# Altium PCB foot.PcbDoc
Units mil, origin at the board's own origin, x right, y up, seen from the top; angles counter-clockwise.
Board outline 1574.8 x 2952.76 mil, 2 copper layers (Top Layer, Bottom Layer); 156 components, 137 nets, 483 pads, 163 vias.
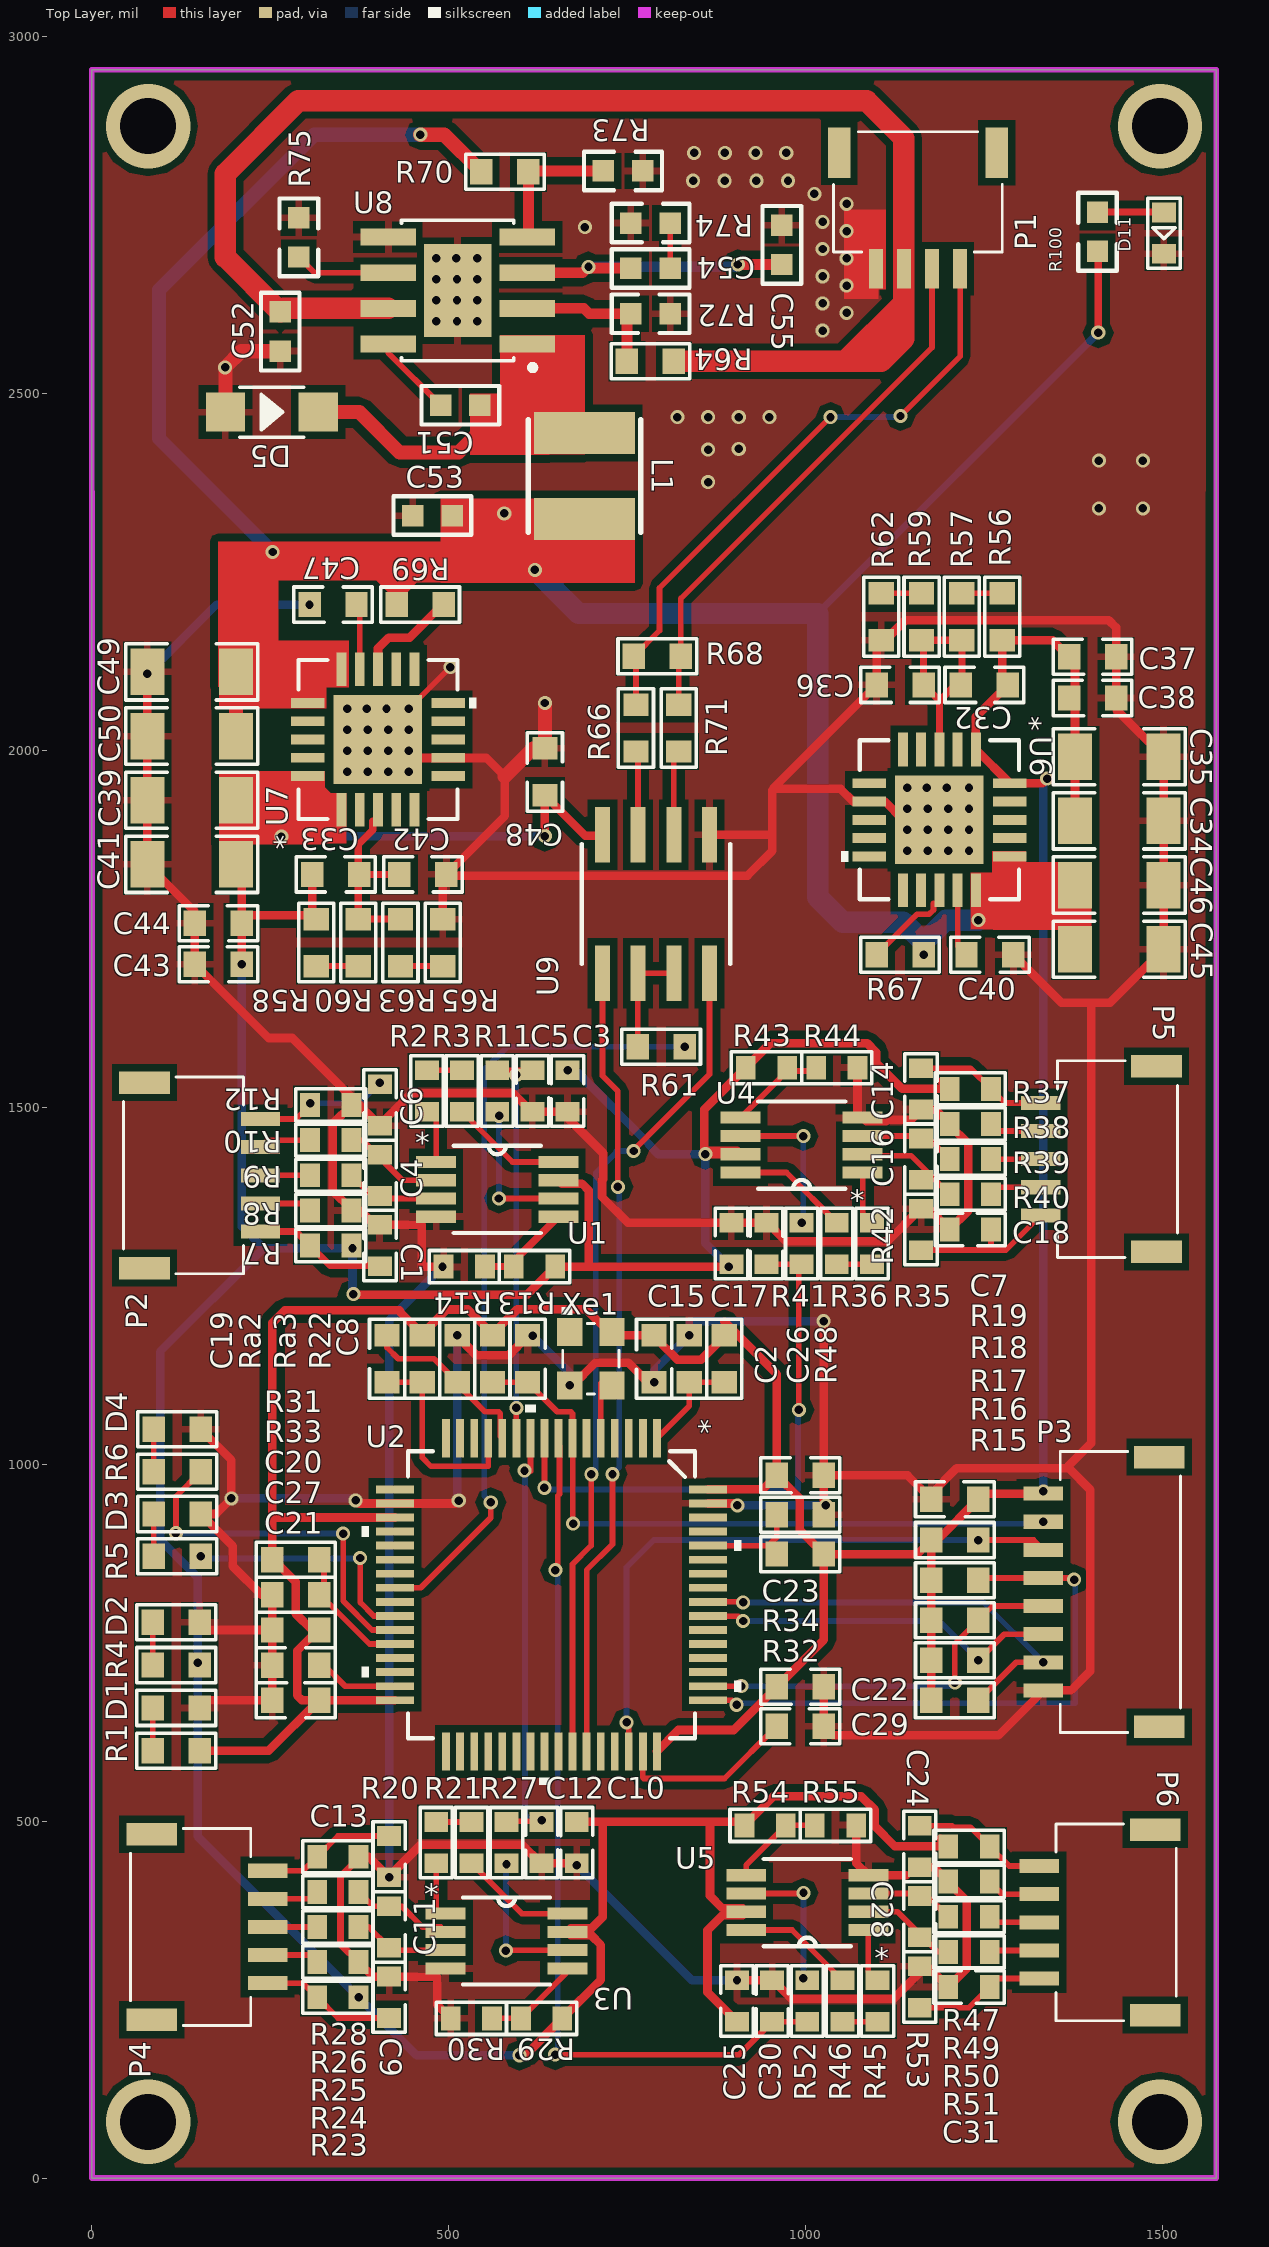
[diagram p0: Top Layer view]
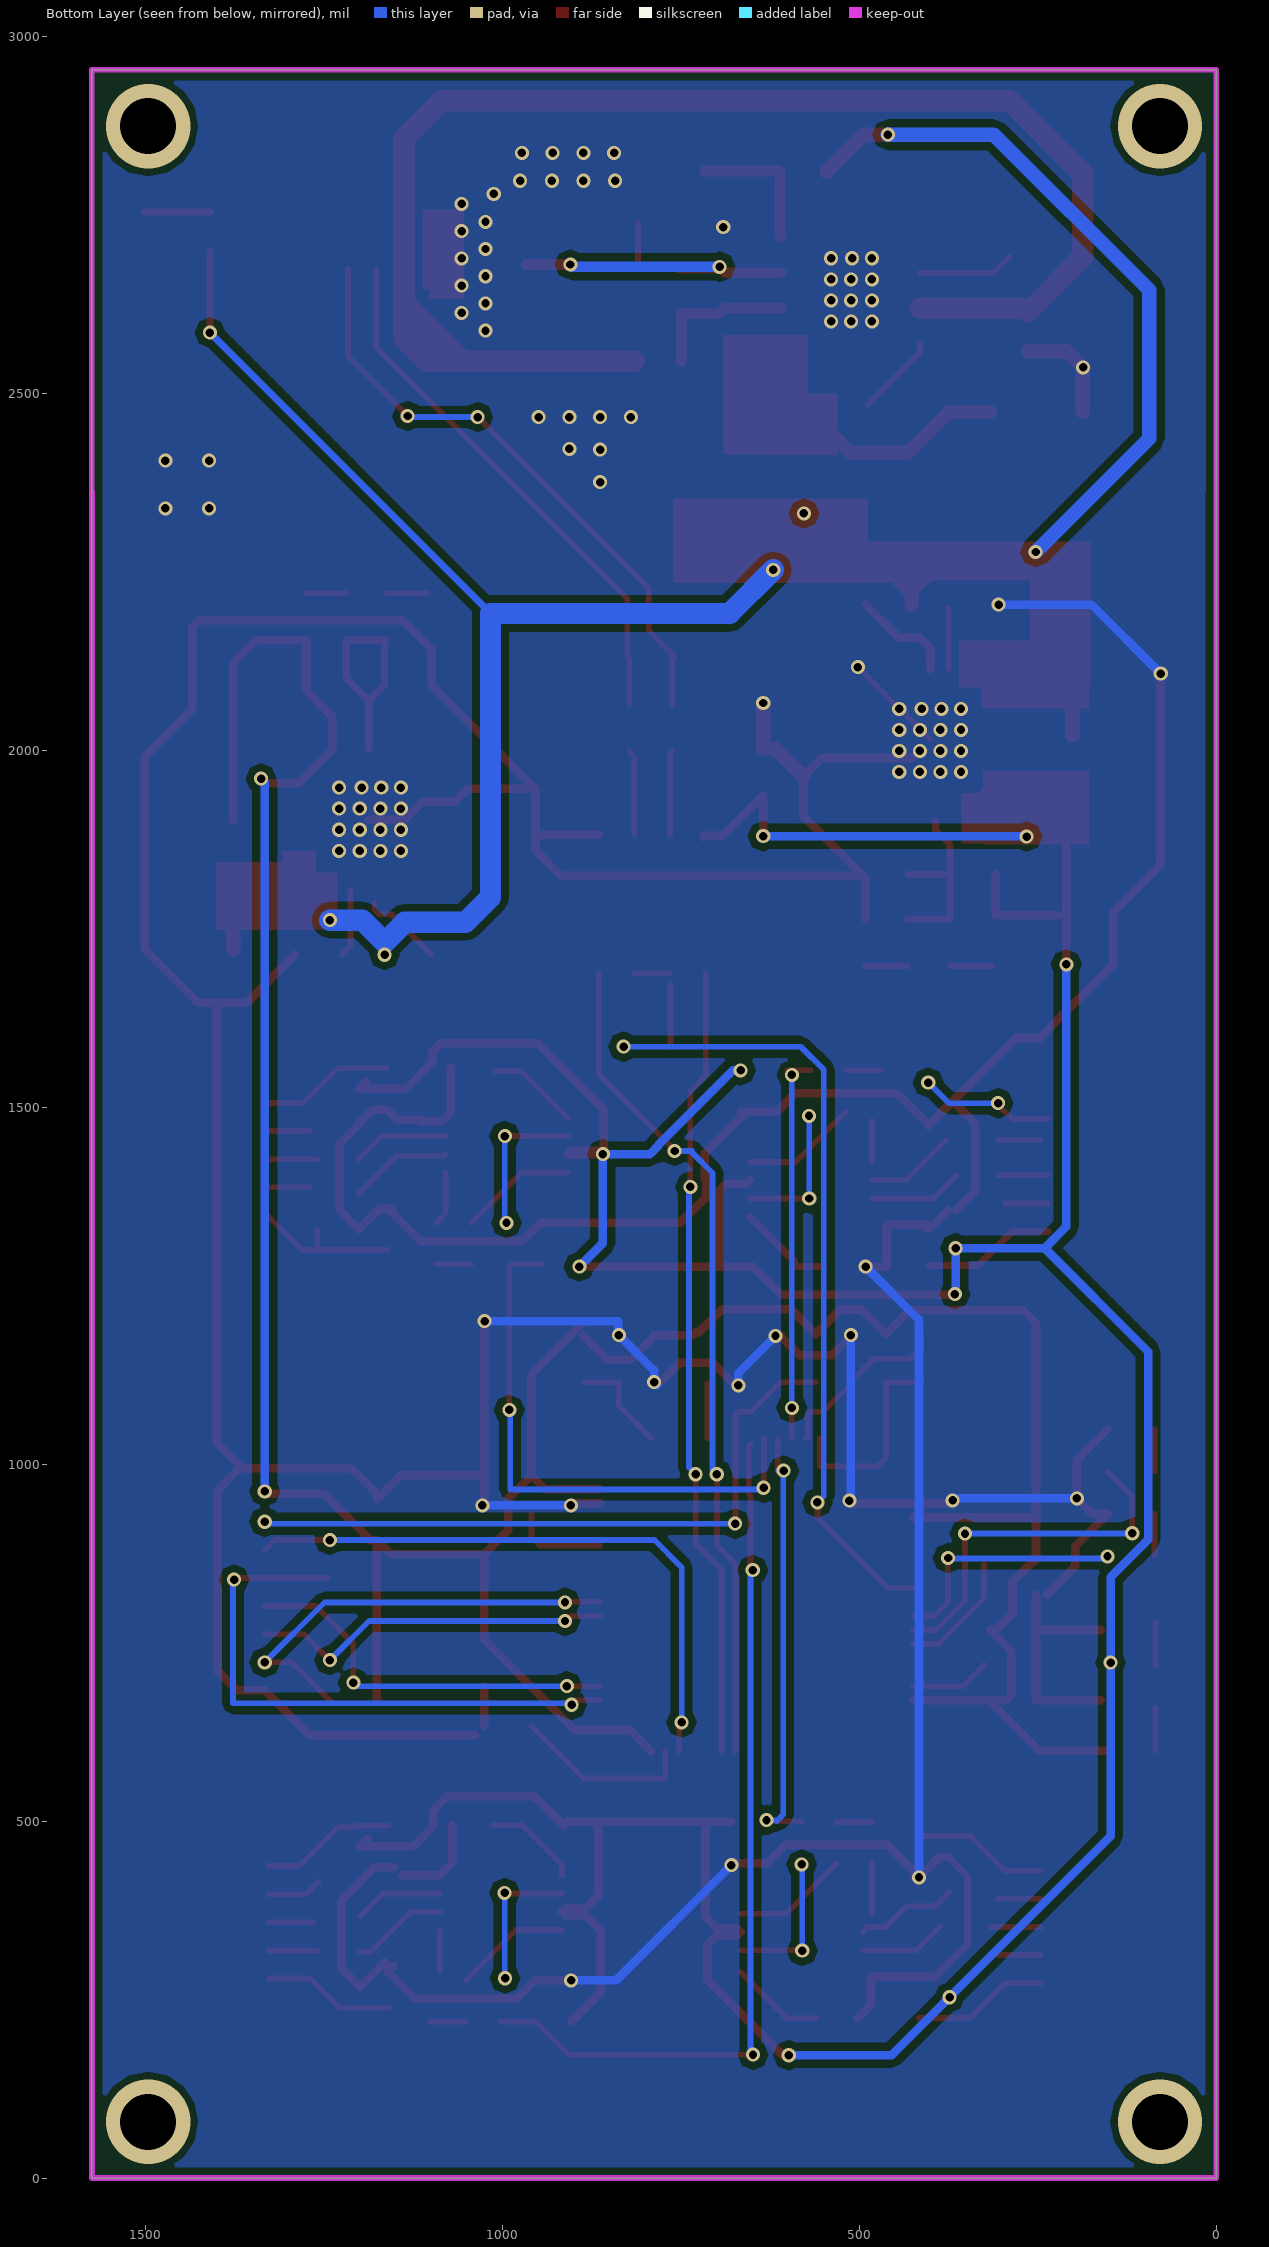
[diagram p1: Bottom Layer view, seen from below]
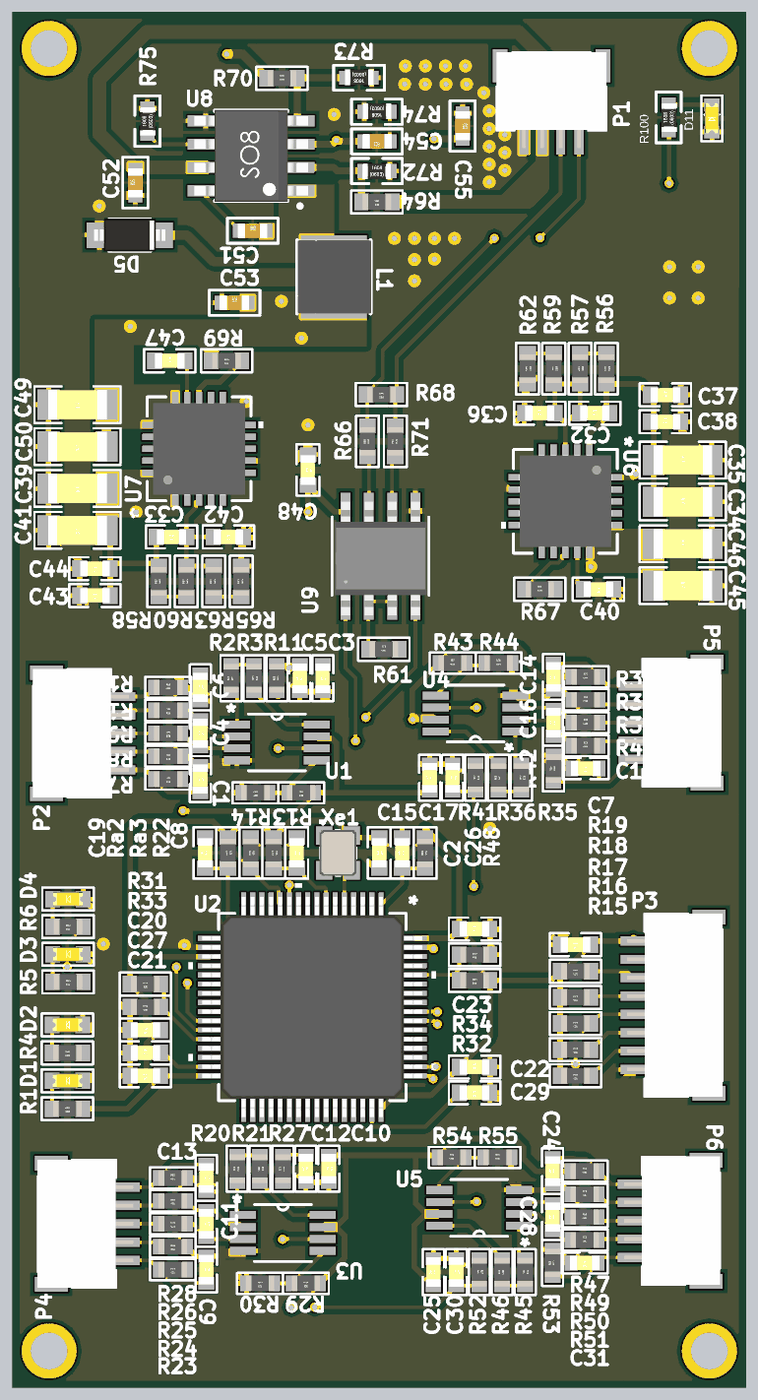
[diagram p2: 3D render of the assembled board from above, using the file's embedded part models]

## Layer stack, top to bottom
Top Solder: solder mask 0.4, Solder Resist, Dk 3.5
Top Layer: signal copper 1.4
Dielectric1: dielectric 12.6, FR-4, Dk 4.8
Bottom Layer: signal copper 1.4
Bottom Solder: solder mask 0.4, Solder Resist, Dk 3.5

## Board outline
0,0 0,2952.76 1574.8,2952.76 1574.8,0

## Design rules (kind name [scope] priority, off if disabled: settings)
Clearance Clearance_1 [INPOLYGON] p1: gap=10
Clearance [All] p2: gap=6.3
MinimumSolderMaskSliver [All] p1: minsoldermaskwidth=0.39
PolygonConnect PolygonConnect_1 [ISVIA] p1: connectstyle=Direct reliefconductorwidth=10 reliefentries=4 polygonreliefangle="90 Angle" airgapwidth=10
PolygonConnect [All] p2: connectstyle=Relief reliefconductorwidth=10 reliefentries=4 polygonreliefangle="90 Angle" airgapwidth=10
RoutingVias [All] p1: holewidth=11.81 width=19.68 viastyle="Through Hole" minholewidth=11.81 minwidth=19.68 maxholewidth=196.85 maxwidth=236.22
SilkToSilkClearance [All] p1: silktosilkclearance=0.39
SilkToSolderMaskClearance [IsPad] p1: minsilkscreentomaskgap=0.39 clearancetoexposedcopper=TRUE
SolderMaskExpansion [All] p1: expansion=4
Width [All] p1: maxlimit=118.11 minlimit=6.3 preferedwidth=10
26 further rules are at their usual default settings.

## Components (designator, comment, footprint, x,y, rotation, side; value= is the part's Value field where it differs from the comment)
C1 "Cb" 0603C#1 403.41,1306.1 r270 top
C2 "Cb" 0603C#2 787.4,1147.64 r270 top
C3 "Cb" 0603C#1 666.21,1522.64 r270 top
C4 "Cb" 0603C#1 403.41,1404.52 r270 top
C5 "Cb" 0603C#1 617,1522.64 r90 top
C6 "Cb" 0603C#1 403.41,1502.95 r270 top
C7 "Cb" 0603C#2 1208.66,950.79 r180 top
C8 "Cb" 0603C#2 610.24,1147.64 r270 top
C9 "Cb" 0603C#1 416.34,253.3 r270 top
C10 "Cb" 0603C#1 679.13,469.84 r270 top
C11 "Cb" 0603C#1 416.34,351.73 r270 top
C12 "Cb" 0603C#1 629.92,469.84 r90 top
C13 "Cb" 0603C#1 416.34,450.15 r270 top
C14 "Cb" 0603C#1 1161.42,1525.59 r90 top
C15 "Cb" 0603C#1 895.67,1309.06 r90 top
C16 "Cb" 0603C#1 1161.42,1427.17 r90 top
C17 "Cb" 0603C#1 944.88,1309.06 r270 top
C18 "Cb" 0603C#1 1230.31,1328.74 r180 top
C19 "Cb" 0603C#2 413.39,1147.64 r90 top
C20 "Cb" 0603C#2 285.43,767.72 r180 top
C21 "Cb" 0603C#2 285.43,669.29 r180 top
C22 "Cb" 0603C#2 992.13,687.99 r0 top
C23 "Cb" 0603C#2 992.13,984.25 r0 top
C24 "Cb" 0603C#1 1159.47,464.54 r90 top
C25 "Cb" 0603C#1 903.57,248.01 r90 top
C26 "Cb" 0603C#2 836.61,1147.64 r90 top
C27 "Cb" 0603C#2 285.43,718.5 r0 top
C28 "Cb" 0603C#1 1159.47,366.12 r90 top
C29 "Cb" 0603C#2 992.13,632.87 r180 top
C30 "Cb" 0603C#1 952.78,248.01 r270 top
C31 "Cb" 0603C#1 1228.37,267.69 r180 top
C32 "Cb" 0603C#2 1250,2091.36 r0 top
C33 "Cb" 0603C#2 341.62,1825.96 r180 top
C34 "Cd" 1206C 1438.98,1900.89 r0 top
C35 "Cd" 1206C 1438.98,1990.76 r0 top
C36 "Cb" 0603C#2 1131.89,2091.36 r0 top
C37 "Cb" 0603C#2 1401.57,2130.76 r0 top
C38 "Cb" 0603C#2 1401.57,2073.08 r0 top
C39 "Cd" 1206C 139.77,1929.85 r180 top
C40 "Cb" 0603C#2 1257.87,1713.41 r180 top
C41 "Cd" 1206C 139.77,1839.98 r180 top
C42 "Cb" 0603C#2 463.67,1825.96 r180 top
C43 "Cb" 0603C#2 177.17,1699.98 r180 top
C44 "Cb" 0603C#2 177.17,1757.66 r180 top
C45 "Cd" 1206C 1438.98,1721.16 r0 top
C46 "Cd" 1206C 1438.98,1811.02 r0 top
C47 "Cb" 0603C#2 337.68,2203.92 r0 top
C48 "Cap" 0603C#2 634.5,1969.5 r270 top
C49 "Cd" 1206C 139.77,2109.58 r180 top
C50 "Cd" 1206C 139.77,2019.71 r180 top
C51 "Cb" 0603C#3 488.5,2483 r0 top
C52 "Cb" 0603C#3 263.84,2558.74 r90 top
C53 "Cb" 0603C#3 449.5,2328.5 r0 top
C54 "Cb" 0603C#3 809.95,2674.7 r180 top
C55 "Cb" 0603C#3 966.34,2735.24 r270 top
D1 "LED0603" 0603Led#1 118.11,658.49 r180 top
D2 "LED0603" 0603Led#1 118.11,778.58 r180 top
D3 "LED0603" 0603Led#1 119.46,930.12 r180 top
D4 "LED0603" 0603Led#1 119.46,1048.66 r180 top
D5 "DIODE-ZENER-6.3V(SOD-123)" DIODE-ZENER-6.3V(SOD-123) 252,2473.5 r0 top
D11 "LED0603" 0603Led#2 1501.5,2724 r90 top
L1 "SRN4018-150M" INDP4040X180N 690,2384 r270 top
P1 "SH_1.0MM_4P" SH_1.0MM_4P 1157,2782.5 r0 top
P2 "SH_1.0MM_5P" SH_1.0MM_5P 127.82,1404.53 r90 top
P3 "SH_1.0MM_8P" SH_1.0MM_8P 1440.95,820.87 r270 top
P4 "SH_1.0MM_5P" SH_1.0MM_5P 137.8,351.73 r90 top
P5 "SH_1.0MM_5P" SH_1.0MM_5P 1437.01,1427.17 r270 top
P6 "SH_1.0MM_5P" SH_1.0MM_5P 1435.06,358.24 r270 top
R1 "Rb" 0603R#1 118.11,598.44 r180 top
R2 "Rb" 0603R#2 469.36,1522.64 r90 top
R3 "Rb" 0603R#2 518.57,1522.64 r270 top
R4 "Rb" 0603R#1 118.11,718.54 r180 top
R5 "Rb" 0603R#1 119.46,870.85 r180 top
R6 "Rb" 0603R#1 119.46,989.39 r180 top
R7 "Rb" 0603R#2 334.51,1306.1 r180 top
R8 "Rb" 0603R#2 334.51,1355.31 r180 top
R9 "Rb" 0603R#2 334.51,1404.52 r180 top
R10 "Rb" 0603R#2 334.51,1453.74 r180 top
R11 "Rb" 0603R#2 567.78,1522.64 r90 top
R12 "Rb" 0603R#2 334.51,1502.95 r0 top
R13 "Rb" 0603R#2 619.95,1276.57 r180 top
R14 "Rb" 0603R#2 521.52,1276.57 r180 top
R15 "Rb" 0603R#1 1208.66,669.37 r180 top
R16 "Rb" 0603R#1 1208.66,725.43 r180 top
R17 "Rb" 0603R#1 1208.66,781.49 r180 top
R18 "Rb" 0603R#1 1208.66,837.55 r180 top
R19 "Rb" 0603R#1 1208.66,893.62 r180 top
R20 "Rb" 0603R#2 482.28,469.84 r90 top
R21 "Rb" 0603R#2 531.5,469.84 r270 top
R22 "Rb" 0603R#1 561.02,1147.64 r270 top
R23 "Rb" 0603R#2 344.49,253.3 r180 top
R24 "Rb" 0603R#2 344.49,302.52 r180 top
R25 "Rb" 0603R#2 344.49,351.73 r180 top
R26 "Rb" 0603R#2 344.49,400.94 r180 top
R27 "Rb" 0603R#2 580.71,469.84 r90 top
R28 "Rb" 0603R#2 344.49,450.15 r0 top
R29 "Rb" 0603R#2 629.92,223.78 r180 top
R30 "Rb" 0603R#2 531.5,223.78 r180 top
R31 "Rb" 0603R#1 285.43,866.14 r180 top
R32 "Rb" 0603R#1 992.13,874.02 r180 top
R33 "Rb" 0603R#1 285.43,816.93 r180 top
R34 "Rb" 0603R#1 992.13,929.14 r180 top
R35 "Rb" 0603R#2 1092.52,1309.06 r270 top
R36 "Rb" 0603R#2 1043.31,1309.06 r90 top
R37 "Rb" 0603R#2 1230.31,1525.59 r0 top
R38 "Rb" 0603R#2 1230.31,1476.38 r0 top
R39 "Rb" 0603R#2 1230.31,1427.17 r0 top
R40 "Rb" 0603R#2 1230.31,1377.95 r0 top
R41 "Rb" 0603R#2 994.09,1309.06 r270 top
R42 "Rb" 0603R#2 1161.42,1328.74 r90 top
R43 "Rb" 0603R#2 944.88,1555.12 r0 top
R44 "Rb" 0603R#2 1043.31,1555.12 r0 top
R45 "Rb" 0603R#2 1100.42,248.01 r270 top
R46 "Rb" 0603R#2 1051.2,248.01 r90 top
R47 "Rb" 0603R#2 1228.37,464.54 r0 top
R48 "Rb" 0603R#1 885.83,1147.64 r90 top
R49 "Rb" 0603R#2 1228.37,415.33 r0 top
R50 "Rb" 0603R#2 1228.37,366.12 r0 top
R51 "Rb" 0603R#2 1228.37,316.91 r0 top
R52 "Rb" 0603R#2 1001.99,248.01 r270 top
R53 "Rb" 0603R#2 1159.47,267.69 r90 top
R54 "Rb" 0603R#2 942.94,494.07 r0 top
R55 "Rb" 0603R#2 1041.36,494.07 r0 top
R56 "Rb" 0603R#1 1274.93,2186.83 r270 top
R57 "Rb" 0603R#1 1218.5,2186.83 r270 top
R58 "Rb" 0603R#1 314.06,1730.49 r90 top
R59 "Rb" 0603R#1 1162.07,2186.83 r270 top
R60 "Rb" 0603R#1 373.12,1730.49 r90 top
R61 "Res2" 0603R#1 797.24,1584.65 r0 top
R62 "Rb" 0603R#1 1105.64,2186.83 r270 top
R63 "Rb" 0603R#1 432.17,1730.49 r90 top
R64 "Rb" 0603R#1 782.34,2544.73 r180 top
R65 "Rb" 0603R#1 491.23,1730.49 r90 top
R66 "Res" 0603R#1 762,2031 r90 top
R67 "Rb" 0603R#1 1131.89,1713.41 r0 top
R68 "Res" 0603R#1 792,2131.5 r180 top
R69 "Rb" 0603R#1 459.73,2203.92 r180 top
R70 "Rb" 0603R#1 578.5,2810 r0 top
R71 "Res" 0603R#1 822,2031 r90 top
R72 "Rb" 0603R#3 754.95,2611.16 r0 top
R73 "Rb" 0603R#3 771.34,2811.23 r180 top
R74 "Rb" 0603R#3 809.95,2738.23 r180 top
R75 "Rb" 0603R#3 289.84,2690.74 r90 top
R100 "Rb" 0603R#3 1408.5,2698.5 r90 top
Ra2 "Rb" 0603R#1 462.6,1147.64 r270 top
Ra3 "Rb" 0603R#1 511.81,1147.64 r270 top
U1 "INA333_DGK_8" VSSOP-8 567.78,1384.84 r0 top
U2 "STM32F405RGT" LQFP-64 643.7,816.93 r270 top locked
U3 "INA333_DGK_8" VSSOP-8 580.71,332.04 r0 top
U4 "INA333_DGK_8" VSSOP-8 994.09,1446.85 r180 top
U5 "INA333_DGK_8" VSSOP-8 1001.99,385.8 r180 top
U6 "TPS7A4701_RGW_20" VQFN-20 1187.01,1902.38 r270 top
U7 "TPS7A4701_RGW_20" VQFN-20 400.68,2014.94 r90 top locked
U8 "MP1584EN" SOIC127P600X170-9N 512.34,2643.74 r180 top
U9 "MAX3443EASA" 21-0041B_8 790,1784.5 r90 top
Xe1 "Active crystal" Active_crystal_2520 698.82,1147.64 r270 top

## Footprints (in the part's own frame and the unit in brackets; to place one, negate y for a bottom-side part, rotate by r counter-clockwise, add the part's x,y. Pads: shape width x height; smd on the part's side, far side on the other; paste and mask are expansions set on the pad)
21-0041B_8 [mil]
  rect 78x21 smd: 1(-97,75) 2(-97,25) 3(-97,-25) 4(-97,-75) 5(97,-75) 6(97,-25) 7(97,25) 8(97,75)
  silkscreen extent -84,-104 84,104, body extent -127,-99 117,98, height 69
0603C#1 [mm] "0603贴片电容"
  rect 0.7x0.85 smd: 1(-0.736,0) 2(0.736,0)
  silkscreen extent -1.25,-0.58 1.25,0.58, body extent -0.8,-0.4 0.8,0.4, height 0.73
0603C#2 [mm] "0603贴片?"
  rect 0.8x0.9 smd: 1(-0.836,0) 2(0.836,0)
  silkscreen extent -1.4,-0.63 1.4,0.63, body extent -0.8,-0.4 0.8,0.4, height 0.73
0603C#3 [mm]
  rect 0.762x0.762 smd: 1(0,0) 2(1.397,0)
  silkscreen extent -0.69,-0.69 2.08,0.69, body extent -0.11,-0.4 1.49,0.4, height 0.32
0603Led#1 [mm] "0603贴片LE"
  rect 0.8x0.9 smd: 1(-0.836,0) 2(0.836,0)
  silkscreen extent -1.4,-0.63 1.4,0.63, body extent -0.81,-0.4 0.81,0.4, height 0.62
0603Led#2 [mm] "0603贴?"
  rect 0.7x0.85 smd: 1(-0.736,0) 2(0.736,0)
  silkscreen extent -1.25,-0.57 1.25,0.58, body extent -0.81,-0.4 0.81,0.4, height 0.62
0603R#1 [mm] "0603贴片?"
  rect 0.8x0.9 smd: 1(-0.836,0) 2(0.836,0)
  silkscreen extent -1.4,-0.63 1.4,0.63, body extent -0.78,-0.43 0.78,0.43, height 0.48
0603R#2 [mm] "0603贴片电阻"
  rect 0.7x0.85 smd: 1(-0.736,0) 2(0.736,0)
  silkscreen extent -1.25,-0.58 1.25,0.58, body extent -0.78,-0.43 0.78,0.43, height 0.48
0603R#3 [mm]
  rect 0.762x0.762 smd: 1(0,0) 2(1.397,0)
  silkscreen extent -0.69,-0.69 2.08,0.69, body extent -0.09,-0.45 1.46,0.4, height 0.45
1206C [mm] "1206贴片?"
  rect 1.2x1.65 smd: 1(-1.575,0) 2(1.575,0)
  silkscreen extent -2.35,-1 2.35,1, body extent -1.6,-0.8 1.6,0.8, height 1.57
Active_crystal_2520 [mm] "贴片有?"
  rect 1x0.9 smd: 1(-0.95,-0.75) 2(0.95,-0.75) 3(0.95,0.75) 4(-0.95,0.75)
  silkscreen extent -1.83,-1.04 1.25,1, body extent -1.25,-1 1.25,1, height 0.83
DIODE-ZENER-6.3V(SOD-123) [mil]
  rect 55x55 smd: NEG(65,0) POS(-65,0)
  silkscreen extent -45,-35 45,35, body extent -77,-35 77,35, height 46
INDP4040X180N [mm]
  rect 1.5x3.6 smd: 1(-1.525,0) 2(1.525,0)
  silkscreen extent -2,-2 2,2, body extent -2.01,-1.99 2.01,2.03, height 1.2
LQFP-64 [mil]
  rect 53.5x11 smd: 1(-219.25,147.64) 2(-219.25,127.95) 3(-219.25,108.27) 4(-219.25,88.58) 5(-219.25,68.9) 6(-219.25,49.21) 7(-219.25,29.53) 8(-219.25,9.84) 9(-219.25,-9.84) 10(-219.25,-29.53) 11(-219.25,-49.21) 12(-219.25,-68.9) 13(-219.25,-88.58) 14(-219.25,-108.27) 15(-219.25,-127.95) 16(-219.25,-147.64) 33(219.25,-147.64) 34(219.25,-127.95) 35(219.25,-108.27) 36(219.25,-88.58) 37(219.25,-68.9) 38(219.25,-49.21) 39(219.25,-29.53) 40(219.25,-9.84) 41(219.25,9.84) 42(219.25,29.53) 43(219.25,49.21) 44(219.25,68.9) 45(219.25,88.58) 46(219.25,108.27) 47(219.25,127.95) 48(219.25,147.64)
  rect 11x53.5 smd: 17(-147.64,-219.25) 18(-127.95,-219.25) 19(-108.27,-219.25) 20(-88.58,-219.25) 21(-68.9,-219.25) 22(-49.21,-219.25) 23(-29.53,-219.25) 24(-9.84,-219.25) 25(9.84,-219.25) 26(29.53,-219.25) 27(49.21,-219.25) 28(68.9,-219.25) 29(88.58,-219.25) 30(108.27,-219.25) 31(127.95,-219.25) 32(147.64,-219.25) 49(147.64,219.25) 50(127.95,219.25) 51(108.27,219.25) 52(88.58,219.25) 53(68.9,219.25) 54(49.21,219.25) 55(29.53,219.25) 56(9.84,219.25) 57(-9.84,219.25) 58(-29.53,219.25) 59(-49.21,219.25) 60(-68.9,219.25) 61(-88.58,219.25) 62(-108.27,219.25) 63(-127.95,219.25) 64(-147.64,219.25)
  silkscreen extent -266,-266 266,266, body extent -236,-236 236,236, height 59
SH_1.0MM_4P [mm]
  rect 0.8x1.8 smd: 0(-2.8,1.375) 0(2.8,1.375)
  rect 0.5x1.4 smd: 1(-1.5,-2.75) 2(-0.5,-2.75) 3(0.5,-2.75) 4(1.5,-2.75)
  silkscreen extent -3,-2.15 3,2.12, body extent -3,-3.09 3,2.12, height 3.02
SH_1.0MM_5P [mm]
  rect 0.8x1.8 smd: 0(-3.3,1.375) 0(3.3,1.375)
  rect 0.5x1.4 smd: 1(-2,-2.75) 2(-1,-2.75) 3(0,-2.75) 4(1,-2.75) 5(2,-2.75)